# Altium PCB EASY-EAI-Nano-TB V1.01.PCBDOC (part 2 of 7)
Units mm, origin at the board's own origin, x right, y up, seen from the top; angles counter-clockwise.
Board outline 120 x 90 mm, 4 copper layers (Top Layer, GND, VCC, Bottom Layer); 667 components, 452 nets, 2251 pads, 1430 vias.
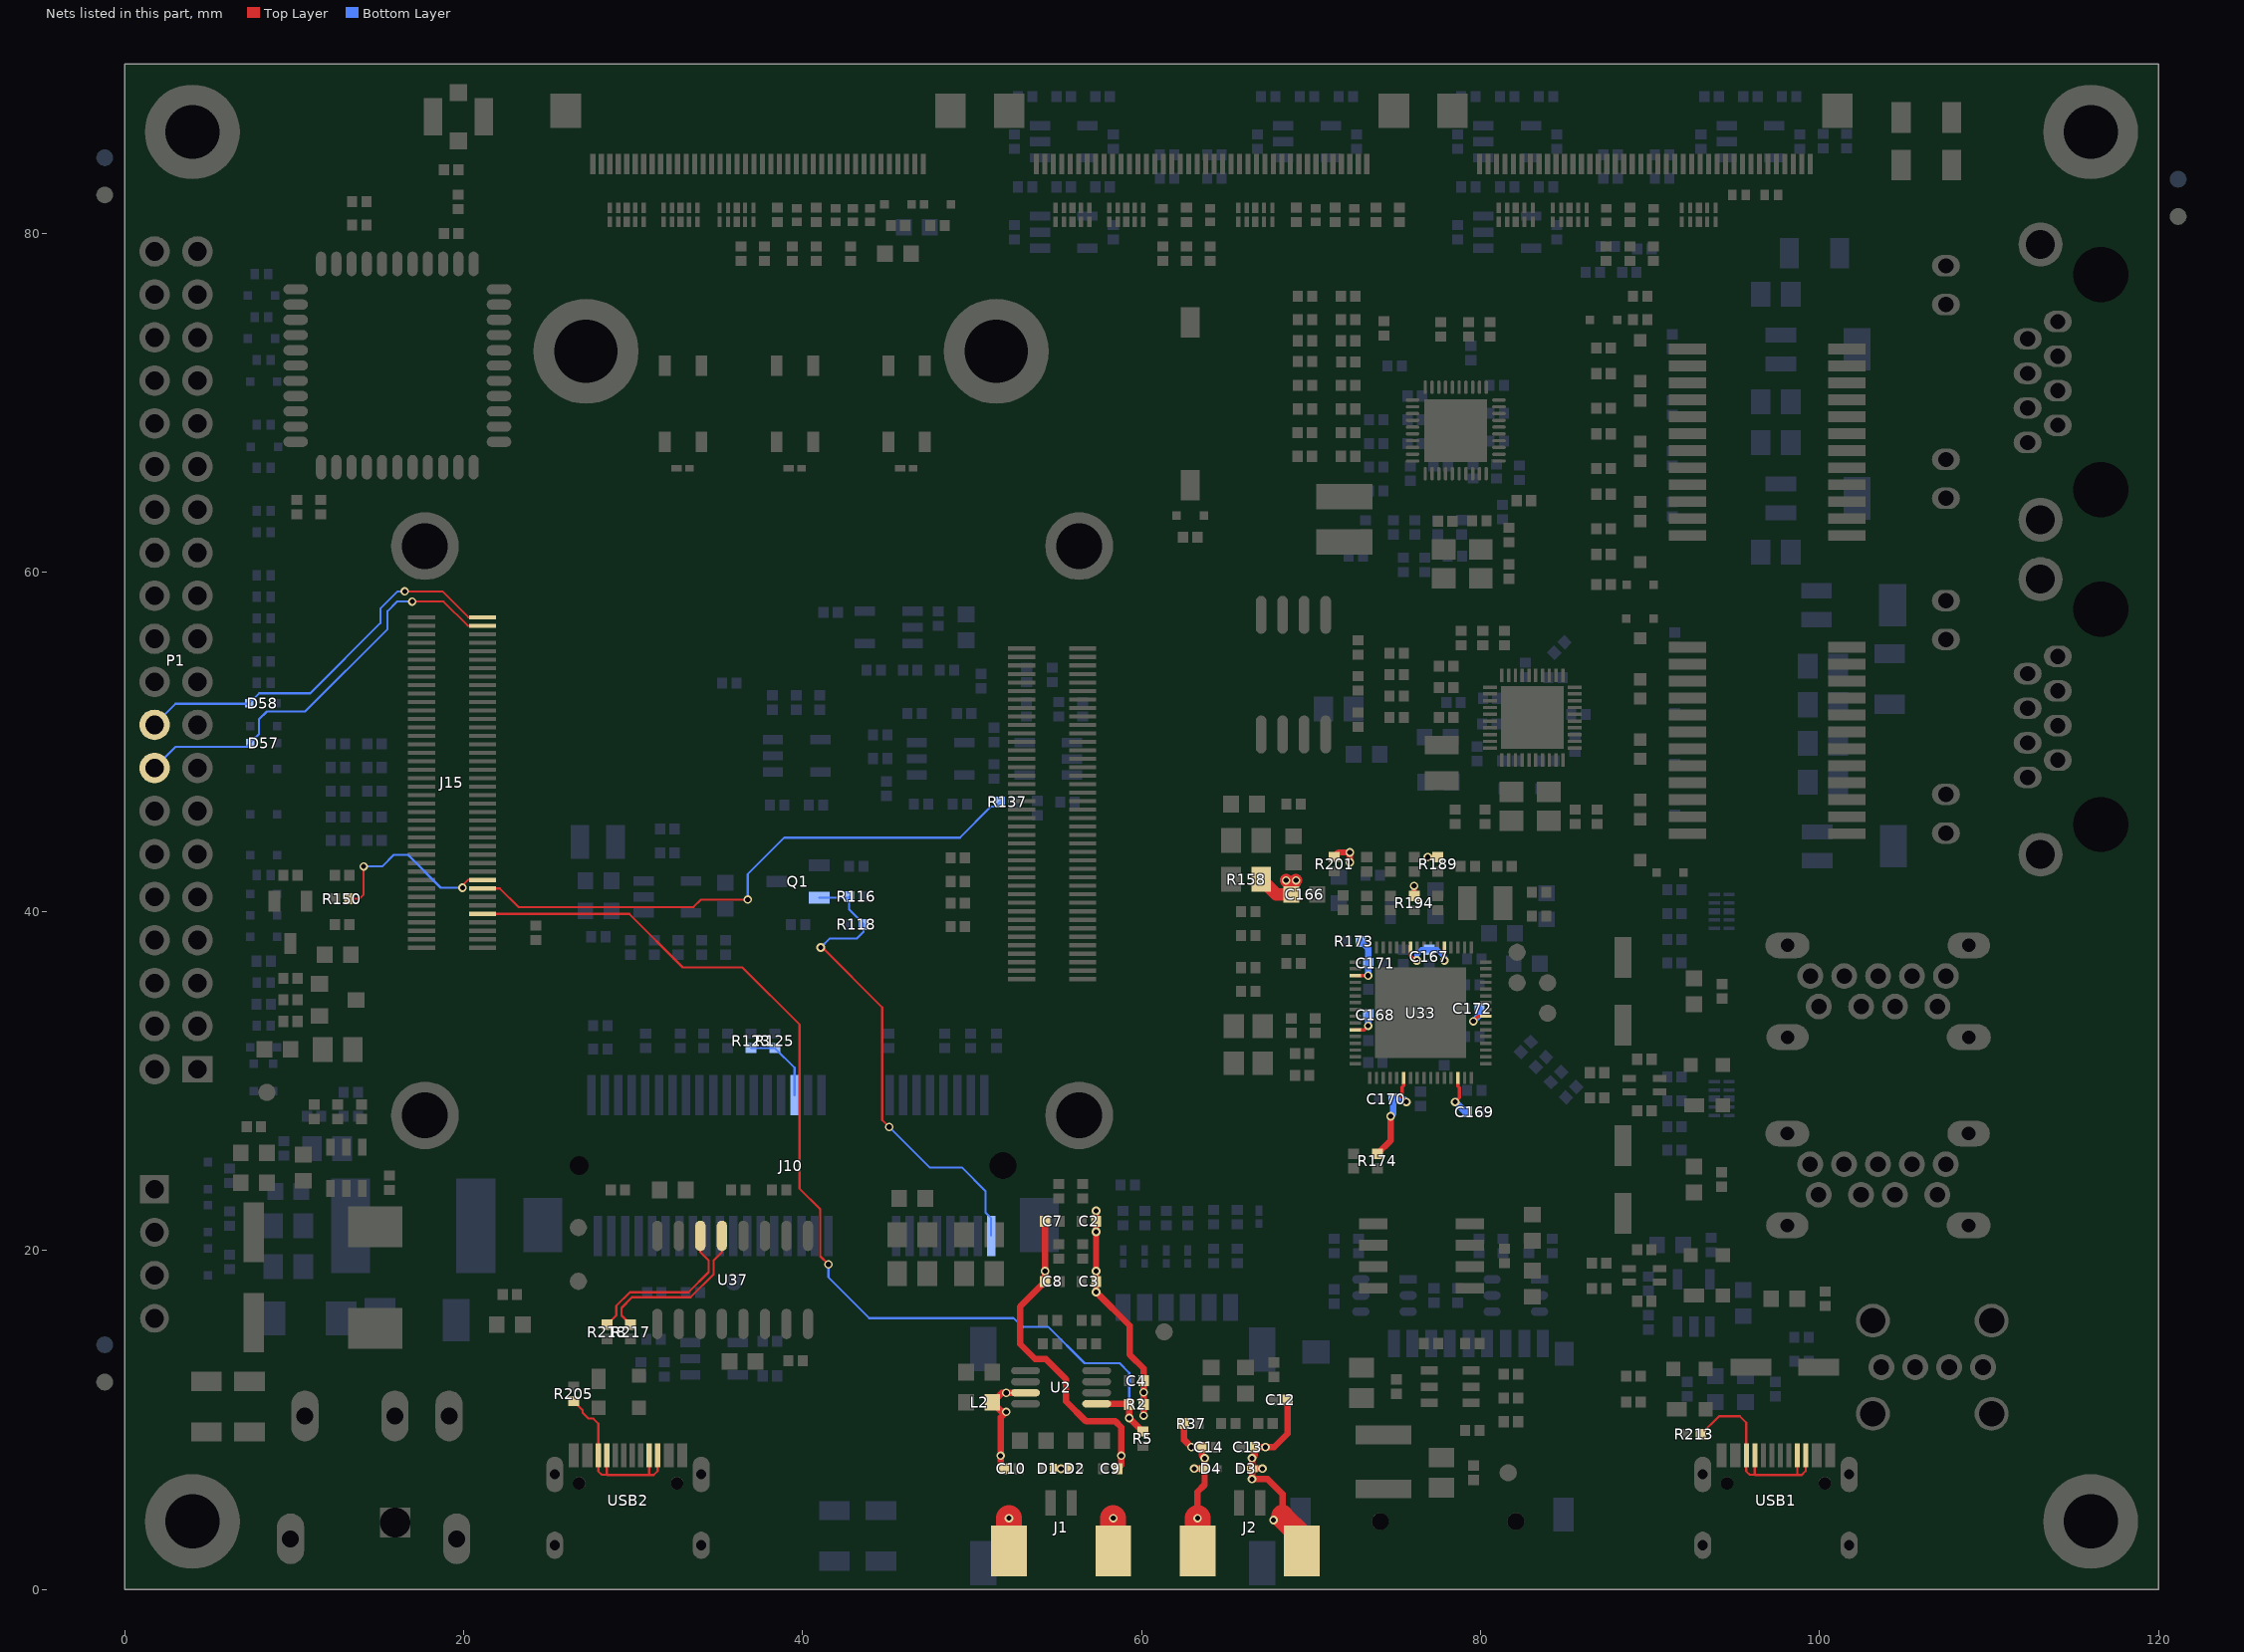
[diagram p4: the nets of this part, all layers, seen from the top]

## Components (designator, comment, footprint, x,y, rotation, side; value= is the part's Value field where it differs from the comment) (continued)
R136 "0402WGF1003TCE" 0402_R 51.308,48.26 r270 bottom
R137 "0402WGF220JTCE" 0402_R 52.07,46.457 r0 bottom
R138 "0402WGF1002TCE" 0402_R 53.848,46.101 r90 bottom
R139 "0402WGF5602TCE" 0402_R 51.308,50.419 r270 bottom
R140 "1206W4F1204T5E" 1206_R 4.836,10.777 r270 top
R141 "0402WGF1002TCE" 0402_R 38.227,52.324 r270 bottom
R142 "0402WGF1002TCE" 0402_R 39.624,52.324 r270 bottom
R143 "NC/0805W8F0000T5E" 0805_R 12.583,31.859 r0 top
R144 "0402WGF1003TCE" 0402_R 9.789,33.51 r180 top
R145 "0402WGF3003TCE" 0402_R 11.186,27.922 r180 bottom
R146 "0402WGF2203TCE" 0402_R 12.583,28.176 r90 top
R147 "0402WGF1002TCE" 0402_R 9.789,36.05 r0 top
R148 "0402WGF5102TCE" 0402_R 13.345,29.319 r180 bottom
R149 "NQ02WGF3002TCE" 0402_R 13.98,28.176 r270 top
R150 "0402WGF1002TCE" 0402_R 12.837,40.749 r180 top
R151 "0402WGF4702TCE" 0402_R 12.837,39.225 r180 top
R152 "0402WGF1373TCE" 0402_R 81.798,11.285 r0 top
R153 "0402WGF1002TCE" 0402_R 77.087,14.5 r0 top
R154 "NQ02WGF3002TCE" 0402_R 81.796,12.682 r180 top
R155 "0402WGF1002TCE" 0402_R 79.512,14.5 r180 top
R156 "AC0402FR-072K2L" 0402_R 8.21,34.526 r0 bottom
R157 "AC0402FR-072K2L" 0402_R 8.21,37.066 r0 bottom
R158 "0805W8F0000T5E" 0805_R 66.177,41.892 r0 top
R159 "0402WGF1002TCE" 0402_R 75.057,51.435 r0 top
R160 "0805W8F0000T5E" 0805_R 66.177,44.178 r0 top
R161 "0402WGF0000TCE" 0402_R 91.44,30.226 r0 bottom
R162 "0402WGF1002TCE" 0402_R 72.771,53.467 r90 top
R163 "0402WGF0000TCE" 0402_R 91.44,28.829 r0 bottom
R164 "0402WGF220KTCE" 0402_R 89.663,16.997 r0 top
R165 "0402WGF0000TCE" 0402_R 66.304,38.59 r0 top
R166 "0402WGF220KTCE" 0402_R 86.996,17.759 r0 top
R167 "0402WGF0000TCE" 0402_R 66.304,39.987 r0 top
R168 "0402WGF220KTCE" 0402_R 86.994,19.25 r0 top
R169 "0402WGF0000TCE" 0402_R 68.971,36.939 r0 top
R170 "0402WGF220KTCE" 0402_R 89.663,20.045 r0 top
R171 "0402WGF0000TCE" 0402_R 68.971,38.336 r0 top
R172 "0402WGF220KTCE" 0402_R 79.258,42.654 r180 top
R173 "0402WGF1002TCE" 0402_R 72.517,38.227 r180 bottom
R174 "0402WGF1003TCE" 0402_R 73.914,25.273 r270 top
R175 "0402WGF1002TCE" 0402_R 72.517,25.273 r270 top
R176 "0402WGF0000TCE" 0402_R 91.44,41.275 r0 bottom
R177 "0402WGF0000TCE" 0402_R 91.44,39.878 r0 bottom
R178 "0402WGF220KTCE" 0402_R 89.672,28.231 r0 top
R179 "0402WGF220KTCE" 0402_R 86.878,28.993 r0 top
R180 "0402WGF220KTCE" 0402_R 86.875,30.484 r0 top
R181 "0402WGF220KTCE" 0402_R 89.672,31.279 r0 top
R182 "1206W4F1204T5E" 1206_R 106.309,84.056 r0 top
R183 "0402WGF0000TCE" 0402_R 70.241,33.256 r270 top
R184 "RC-02W1004FT" 0402_R 69.479,31.605 r0 top
R185 "0402WGF1002TCE" 0402_R 72.771,55.582 r270 top
R186 "AC0402FR-072K49L" 0402_R 86.868,45.593 r270 top
R187 "RS-05K75R0FT" 0805_R 100.203,54.483 r0 bottom
R188 "RS-05K75R0FT" 0805_R 100.203,52.197 r0 bottom
R189 "0402WGF1002TCE" 0402_R 77.48,42.781 r90 top
R190 "0402WGF4701TCE" 0402_R 89.916,15.748 r270 bottom
R191 "0402WGF220KTCE" 0402_R 98.933,14.859 r0 bottom
R192 "0402WGF5101TCE" 0402_R 73.289,40.495 r270 top
R193 "0402WGF1002TCE" 0402_R 73.289,42.781 r270 top
R194 "0402WGF1002TCE" 0402_R 76.083,40.495 r90 top
R195 "0402WGF1002TCE" 0402_R 76.083,42.781 r270 top
R196 "NQ02WGF3002TCE" 0402_R 74.686,39.987 r90 bottom
R197 "0402WGF2002TCE" 0402_R 79.639,37.193 r180 bottom
R198 "0402WGF1001TCE" 0402_R 22.733,17.399 r180 top
R200 "RC0402FR-0739KL" 0402_R 74.686,42.781 r270 top
R201 "0402WGF1003TCE" 0402_R 71.374,42.799 r270 top
R202 "0402WGF1003TCE" 0402_R 71.882,40.513 r90 top
R203 "0402WGF1002TCE" 0402_R 31.22,14.748 r180 bottom
R204 "0402WGF1000TCE" 0402_R 46.609,51.689 r180 bottom
R205 "0402WGF5101TCE" 0402_R 26.497,11.532 r270 top
R206 "0402WGF1000TCE" 0402_R 35.687,53.467 r180 bottom
R207 "0402WGF220JTCE" 0402_R 56.525,51.925 r90 bottom
R208 "0402WGF1000TCE" 0402_R 53.223,53.957 r90 bottom
R209 "0402WGF220KTCE" 0402_R 89.027,12.573 r180 top
R210 "0402WGF220KTCE" 0402_R 89.027,11.049 r180 top
R211 "0402WGF1002TCE" 0402_R 92.202,11.811 r90 bottom
R212 "0402WGF1502TCE" 0402_R 49.159,40.495 r0 top
R213 "0402WGF5101TCE" 0402_R 92.583,9.144 r0 top
R214 "NC/0402WGF1002TCE" 0402_R 49.159,39.098 r0 top
R215 "0402WGF220JTCE" 0402_R 38.618,23.569 r0 top
R216 "0402WGF220JTCE" 0402_R 36.205,23.569 r0 top
R217 "0402WGF220KTCE" 0402_R 29.862,15.191 r90 top
R218 "0402WGF220KTCE" 0402_R 28.465,15.191 r90 top
R219 "0402WGF220JTCE" 0402_R 6.198,24.409 r270 bottom
R220 "0402WGF220KTCE" 0402_R 98.933,13.462 r0 bottom
R222 "0402WGF220JTCE" 0402_R 6.198,21.869 r270 bottom
R223 "0402WGF220JTCE" 0402_R 6.191,19.323 r270 bottom
R224 "AC0402FR-072K2L" 0402_R 42.84,78.817 r90 top
R225 "0402WGF1003TCE" 0402_R 49.159,43.162 r180 top
R226 "RS-05K75R0FT" 0805_R 100.203,49.911 r0 bottom
R227 "RS-05K75R0FT" 0805_R 100.203,47.625 r0 bottom
S1 "TS-1145A-B-A" SW-SMD_4P-L4.2-W3.2-P2.15-LS5.2 46.136,69.959 r0 top
S2 "TS-1145A-B-A" SW-SMD_4P-L4.2-W3.2-P2.15-LS5.2 32.961,69.959 r0 top
S3 "EM-01KP" EM-01KP 62.875,69.959 r0 top
S4 "TS-1145A-B-A" SW-SMD_4P-L4.2-W3.2-P2.15-LS5.2 39.549,69.959 r0 top
T1 "TEST-DOT" PAD-25/40 35.951,18.143 r0 bottom
T2 "TEST-DOT" PAD-25/40 26.776,21.347 r270 top
T3 "TEST-DOT" PAD-25/40 61.334,15.189 r270 top
T4 "TEST-DOT" PAD-25/40 26.776,18.174 r0 top
T5 "TEST-DOT" PAD-25/40 8.392,29.319 r90 top
T6 "TEST-DOT" PAD-25/40 81.634,6.879 r0 top
T7 "TEST-DOT" PAD-25/40 83.957,34 r45 top
T8 "TEST-DOT" PAD-25/40 83.957,35.796 r45 top
T9 "TEST-DOT" PAD-25/40 82.161,35.796 r45 top
T10 "TEST-DOT" PAD-25/40 82.161,37.592 r135 top
U2 "NS4150B" MSOP-8 55.255,11.92 r90 top
U3 "TPL740F28-5TR" SOT-23-5 69.764,85.421 r0 bottom
U4 "TPL740F28-5TR" SOT-23-5 95.926,85.421 r0 bottom
U5 "TPL740F18-5TR" SOT-23-5 55.413,80.087 r0 bottom
U6 "TPL740F18-5TR" SOT-23-5 81.575,80.087 r0 bottom
U7 "TPL740F12-5TR" SOT-23-5 55.413,85.421 r0 bottom
U8 "TPL740F12-5TR" SOT-23-5 81.575,85.421 r0 bottom
U9 "PT10A034UR" DFN2510 66.716,81.103 r180 top
U10 "PT10A034UR" DFN2510 92.878,81.103 r180 top
U11 "PT10A034UR" DFN2510 59.096,81.103 r180 top
U12 "PT10A034UR" DFN2510 85.258,81.103 r180 top
U13 "PT10A034UR" DFN2510 55.921,81.103 r180 top
U14 "PT10A034UR" DFN2510 82.083,81.103 r180 top
U15 "PT10A034UR" DFN2510 36.109,81.103 r180 top
U16 "PT10A034UR" DFN2510 32.807,81.103 r180 top
U17 "PT10A034UR" DFN2510 29.632,81.103 r180 top
U18 "TPL740F33-5TR" SOT-23-5 45.085,56.769 r180 bottom
U19 "G2401CE" SMD-24_L15.1-W7.1-P1.00-LS10.0-BL 96.91,67.685 r270 top locked
U20 "RTL8211F-CG" QFN40P500X500X90_HS-41N 78.54,68.381 r180 top
U21 "L-NLEDB37-G5NN4" L-NLEDB37-G5NN4_SMT 16.095,72.214 r270 top
U22 "SY8089AAAC" SOT-23-5 32.023,40.856 r0 bottom
U23 "SMC-202-6" SIM-SMD_SMC-202-6 58.884,9.08 r180 bottom locked
U24 "TPV6823V-TR" SOT-23-5 48.143,49.006 r0 bottom
U25 "74LVC1G125GV,125" SOT-23-5 54.493,49.004 r180 bottom
U26 "TPL740F18-5TR" SOT-23-5 39.653,49.187 r0 bottom
U27 "TMI3255S" SOT23-6 13.091,24.874 r180 top
U28 "SY8113BADC" sot23-6 78.205,11.959 r90 top
U29 "W25Q32JVSSIQ" SOIC-8-208mil 68.961,53.975 r180 top
U30 "ESD BV-FK03U4CD" UDFN-10 94.234,28.956 r270 bottom
U31 "AIC1519N-0GS8TR" SOP-8 73.67,21.572 r0 top locked
U32 "ESD BV-FK03U4CD" UDFN-10 94.234,40.005 r270 bottom
U33 "GL3510-OSY52" QFN-64_L8.0-W8.0-P0.40-BL-EP5.4 76.464,34.018 r90 top
U34 "SY6280AAC" SOT-23-5 92.583,16.891 r90 bottom
U36 "TPL740F33-5TR" SOT-23-5 34.776,13.605 r0 bottom
U37 "CH340C" SOIC-16_150mil 35.879,18.257 r180 top locked
U43 "RTL8153B-VB-CG" QFN-40_L5.0-W5.0-P0.40-BL-EP3.7 83.058,51.435 r90 top
U44 "G2401CE" SMD-24_L15.1-W7.1-P1.00-LS10.0-BL 96.91,50.089 r270 top locked
USB1 "USB2.0 Type-C 卧贴 单层" USB-TYPE-C_16PIN-MALE-TYPE-C-31-M-12#1 97.432,5.249 r0 top locked
USB2 "USB2.0 Type-C 卧贴 单层" USB-TYPE-C_16PIN-MALE-TYPE-C-31-M-12#2 29.704,5.249 r0 top locked
USB3 "U221-041N-1BU07-S1" MINI-USB-SMD_U221-041N-1BU07-S1 106.65,13.106 r90 top locked
Y1 "X322525MSB4SI" SMD-3225_4P 78.921,60.507 r0 top
Y2 "X322525MSB4SI" SMD-3225_4P 66.304,32.138 r270 top
Y3 "X322525MSB4SI" SMD-3225_4P 82.931,46.203 r0 top

## Footprints (in the part's own frame and the unit in brackets; to place one, negate y for a bottom-side part, rotate by r counter-clockwise, add the part's x,y. Pads: shape width x height; smd on the part's side, far side on the other; paste and mask are expansions set on the pad)
1.25-2T_SMD_L [mm]
  rect 0.6x1.5 smd: 1(0,0) 2(1.25,0)
  rect 2.1x3 smd: 3(-2.45,-2.835) 4(3.7,-2.835)
  silkscreen extent -3.43,-4.88 4.7,0.51
0402_C [mm]
  rect 0.6x0.65 smd mask+0.051: 1(-0.425,0) 2(0.425,0)
  silkscreen extent -0.97,-0.58 0.98,0.58, body extent -0.48,-0.3 0.52,0.3, height 0.2
0402_R [mm]
  rect 0.6x0.65 smd mask+0.051: 1(-0.425,0) 2(0.425,0)
  silkscreen extent -0.97,-0.58 0.98,0.58, body extent -0.57,-0.27 0.58,0.28, height 0.41
0603_C [mm]
  rect 0.93x0.98 smd: 1(-0.77,0) 2(0.77,0)
  silkscreen extent -1.53,-0.79 1.54,0.79, body extent -0.8,-0.4 0.8,0.4, height 0.3
0603_LED_S1 [mm]
  rect 0.93x0.98 smd: A(0.77,0) K(-0.77,0)
  silkscreen extent -1.98,-0.79 1.54,0.79, body extent -0.8,-0.4 0.8,0.4, height 0.6
0603_R [mm]
  rect 0.93x0.98 smd: 1(-0.77,0) 2(0.77,0)
  silkscreen extent -1.53,-0.79 1.54,0.79, body extent -0.85,-0.4 0.85,0.4, height 0.56
0805_C [mm]
  rect 1.16x1.47 smd: 1(-0.89,0) 2(0.89,0)
  silkscreen extent -1.77,-1.04 1.77,1.04, body extent -1,-0.63 1,0.63, height 0.77
0805_R [mm]
  rect 1.16x1.47 smd: 1(-0.89,0) 2(0.89,0)
  silkscreen extent -1.77,-1.04 1.77,1.03, body extent -1,-0.63 1,0.63, height 0.49
1008 [mm]
  rect 1.1x2 smd: 1(0,0) 2(2.1,0)
  silkscreen extent -0.89,-1.27 2.92,1.27
1206_C [mm]
  rect 1.13x1.8 smd: 1(-1.49,0) 2(1.49,0)
  silkscreen extent -2.36,-1.2 2.35,1.2, body extent -1.6,-0.81 1.6,0.79, height 1
1206_R [mm]
  rect 1.13x1.8 smd: 1(-1.49,0) 2(1.49,0)
  silkscreen extent -2.36,-1.2 2.35,1.2, body extent -1.7,-0.86 1.65,0.87, height 0.85
2920 [mm]
  rect 2.3x5.6 smd: 1(-3.7,0) 2(3.7,0)
  silkscreen extent -5.22,-3.18 5.19,3.18
ANT-SMD_KH-IPEX-K501-29 [mm]
  rect 1.05x1 smd: 1(0,-1.425) 4(0,1.425)
  rect 1.1x2.2 smd: 2(-1.5,0) 3(1.5,0)
  silkscreen extent -1.22,-1.92 0.84,1.23
CONN-SMD_80P-P0.50_DF12NA-3.0-80DP-0.5V [mm]
  rect 0.25x1.6 smd: 1(-9.75,-1.8) 2(-9.75,1.8) 3(-9.25,-1.8) 4(-9.25,1.8) 5(-8.75,-1.8) 6(-8.75,1.8) 7(-8.25,-1.8) 8(-8.25,1.8) 9(-7.75,-1.8) 10(-7.75,1.8) 11(-7.25,-1.8) 12(-7.25,1.8) 13(-6.75,-1.8) 14(-6.75,1.8) 15(-6.25,-1.8) 16(-6.25,1.8) 17(-5.75,-1.8) 18(-5.75,1.8) 19(-5.25,-1.8) 20(-5.25,1.8) 21(-4.75,-1.8) 22(-4.75,1.8) 23(-4.25,-1.8) 24(-4.25,1.8) 25(-3.75,-1.8) 26(-3.75,1.8) 27(-3.25,-1.8) 28(-3.25,1.8) 29(-2.75,-1.8) 30(-2.75,1.8) 31(-2.25,-1.8) 32(-2.25,1.8) 33(-1.75,-1.8) 34(-1.75,1.8) 35(-1.25,-1.8) 36(-1.25,1.8) 37(-0.75,-1.8) 38(-0.75,1.8) 39(-0.25,-1.8) 40(-0.25,1.8) 41(0.25,-1.8) 42(0.25,1.8) 43(0.75,-1.8) 44(0.75,1.8) 45(1.25,-1.8) 46(1.25,1.8) 47(1.75,-1.8) 48(1.75,1.8) 49(2.25,-1.8) 50(2.25,1.8) 51(2.75,-1.8) 52(2.75,1.8) 53(3.25,-1.8) 54(3.25,1.8) 55(3.75,-1.8) 56(3.75,1.8) 57(4.25,-1.8) 58(4.25,1.8) 59(4.75,-1.8) 60(4.75,1.8) 61(5.25,-1.8) 62(5.25,1.8) 63(5.75,-1.8) 64(5.75,1.8) 65(6.25,-1.8) 66(6.25,1.8) 67(6.75,-1.8) 68(6.75,1.8) 69(7.25,-1.8) 70(7.25,1.8) 71(7.75,-1.8) 72(7.75,1.8) 73(8.25,-1.8) 74(8.25,1.8) 75(8.75,-1.8) 76(8.75,1.8) 77(9.25,-1.8) 78(9.25,1.8) 79(9.75,-1.8) 80(9.75,1.8)
  Keep-Out Layer board cut-out: 11.125,-1.5 11.125,-1.565 11.076,-1.684 10.984,-1.775 10.865,-1.825 10.735,-1.825 10.616,-1.775 10.525,-1.684 10.475,-1.565 10.475,-1.5 10.475,-1.435 10.525,-1.316 10.616,-1.224 10.735,-1.175 10.865,-1.175 10.984,-1.224 11.076,-1.316 11.125,-1.435 11.125,-1.5 11.125,-1.5
  Keep-Out Layer board cut-out: -10.475,-1.5 -10.475,-1.565 -10.524,-1.684 -10.616,-1.775 -10.735,-1.825 -10.865,-1.825 -10.984,-1.775 -11.075,-1.684 -11.125,-1.565 -11.125,-1.5 -11.125,-1.435 -11.075,-1.316 -10.984,-1.224 -10.865,-1.175 -10.735,-1.175 -10.616,-1.224 -10.524,-1.316 -10.475,-1.435 -10.475,-1.5 -10.475,-1.5
  Keep-Out Layer circle w0.025: c10.8,-1.5 r0.325
  Keep-Out Layer circle w0.025: c-10.8,-1.5 r0.325
  Keep-Out Layer region: 11.125,-1.5 11.125,-1.565 11.076,-1.684 10.984,-1.775 10.865,-1.825 10.735,-1.825 10.616,-1.775 10.525,-1.684 10.475,-1.565 10.475,-1.5 10.475,-1.435 10.525,-1.316 10.616,-1.224 10.735,-1.175 10.865,-1.175 10.984,-1.224 11.076,-1.316 11.125,-1.435 11.125,-1.5 11.125,-1.5
  Keep-Out Layer region: -10.475,-1.5 -10.475,-1.565 -10.524,-1.684 -10.616,-1.775 -10.735,-1.825 -10.865,-1.825 -10.984,-1.775 -11.075,-1.684 -11.125,-1.565 -11.125,-1.5 -11.125,-1.435 -11.075,-1.316 -10.984,-1.224 -10.865,-1.175 -10.735,-1.175 -10.616,-1.224 -10.524,-1.316 -10.475,-1.435 -10.475,-1.5 -10.475,-1.5
  silkscreen extent -11.35,-3.06 11.35,2.2
DC-044A-20A [mm]
  rect 1.778x1.778 hole 1.778 square: 0(-6.292,3.18)
  oval 3x1.6 hole 1 slot 2.2 at 0 deg: 1(0,0) 2(0,8.501) 3(0,3.2) 4(-7.25,-0.45) 5(-7.25,9.351)
  silkscreen extent -10.23,-1.14 1.27,9.14
DFN1006 [mm]
  rect 0.5x0.6 smd mask+0.051: 1(-0.4,0) 2(0.4,0)
  silkscreen extent -0.75,-0.38 0.75,0.38
DFN1006-2L [mm]
  rect 0.4x0.6 smd mask+0.051: 1(0,0) 2(0.7,0)
  silkscreen extent -0.58,-0.43 1.08,0.43
DFN2510 [mm]
  rect 0.25x0.609 smd: 1(-1,-0.415) 2(-0.5,-0.415) 4(0.5,-0.415) 5(1,-0.415) 6(1,0.415) 7(0.5,0.415) 9(-0.5,0.415) 10(-1,0.415)
  rect 0.38x0.609 smd: 3(0,-0.415) 8(0,0.415)
  silkscreen extent -1.33,-1.12 1.33,0.58
DO_214AC [mm] "By LMD from 1.04.03.0018 Molded Diode, 2-Leads, Body 6.85x5.90mm, IPC Low Density"
  rect 1.8x2 smd: 1(-2.1,0) 2(2.1,0)
  silkscreen extent -2.1,-1.52 2.09,1.52
EM-01KP [mm]
  rect 1.1x1.8 smd: 1(0,-4.8) 2(0,4.8)
  silkscreen extent -1.78,-3.28 1.78,3.46
FBP-02C [mm]
  rect 0.5x0.4 smd mask+0.051: 1(0,0)
  rect 0.62x0.4 smd mask+0.051: 2(0.762,0)
  silkscreen extent -0.51,-0.43 1.27,0.43
FFC0.5-40P [mm]
  rect 0.3x1.2 smd: 1(-9.75,1.574) 2(-9.25,1.574) 3(-8.75,1.574) 4(-8.25,1.574) 5(-7.75,1.574) 6(-7.25,1.574) 7(-6.75,1.574) 8(-6.25,1.574) 9(-5.75,1.574) 10(-5.25,1.574) 11(-4.75,1.574) 12(-4.25,1.574) 13(-3.75,1.574) 14(-3.25,1.574) 15(-2.75,1.574) 16(-2.25,1.574) 17(-1.75,1.574) 18(-1.25,1.574) 19(-0.75,1.574) 20(-0.25,1.574) 21(0.25,1.574) 22(0.75,1.574) 23(1.25,1.574) 24(1.75,1.574) 25(2.25,1.574) 26(2.75,1.574) 27(3.25,1.574) 28(3.75,1.574) 29(4.25,1.574) 30(4.75,1.574) 31(5.25,1.574) 32(5.75,1.574) 33(6.25,1.574) 34(6.75,1.574) 35(7.25,1.574) 36(7.75,1.574) 37(8.25,1.574) 38(8.75,1.574) 39(9.25,1.574) 40(9.75,1.574)
  rect 1.8x2 smd: 41(-11.35,-1.574) 42(11.35,-1.574)
  silkscreen extent -12.16,-4.32 11.71,2.51
HDR-TH_4P-P2.54-V-M [mm]
  rect 1.7x1.7 hole 1.1: 1(-3.81,0)
  round 1.7 hole 1.1: 2(-1.27,0) 3(1.27,0) 4(3.81,0)
  silkscreen extent -5.84,-1.27 5.08,1.27
HDR-TH_40P-P2.54-V-M-R2-C20-S2.54 [mm]
  rect 1.575x1.8 / inner rect 1.5x1.5 / far side rect 1.575x1.8 hole 1.1 paste+0 mask+0.051: 1(-24.13,-1.27)
  round 1.8 / inner round 1.5 / far side round 1.8 hole 1.1 paste+0 mask+0.051: 2(-24.13,1.27) 3(-21.59,-1.27) 4(-21.59,1.27) 5(-19.05,-1.27) 6(-19.05,1.27) 7(-16.51,-1.27) 8(-16.51,1.27) 9(-13.97,-1.27) 10(-13.97,1.27) 11(-11.43,-1.27) 12(-11.43,1.27) 13(-8.89,-1.27) 14(-8.89,1.27) 15(-6.35,-1.27) 16(-6.35,1.27) 17(-3.81,-1.27) 18(-3.81,1.27) 19(-1.27,-1.27) 20(-1.27,1.27) 21(1.27,-1.27) 22(1.27,1.27) 23(3.81,-1.27) 24(3.81,1.27) 25(6.35,-1.27) 26(6.35,1.27) 27(8.89,-1.27) 28(8.89,1.27) 29(11.43,-1.27) 30(11.43,1.27) 31(13.97,-1.27) 32(13.97,1.27) 33(16.51,-1.27) 34(16.51,1.27) 35(19.05,-1.27) 36(19.05,1.27) 37(21.59,-1.27) 38(21.59,1.27) 39(24.13,-1.27) 40(24.13,1.27)
  silkscreen extent -25.4,-2.54 25.4,2.54
"HOLE-3.2 - Screw" [mm]
  round 5.6 hole 3.2: 1(0,0)
  silkscreen extent -3.5,-3.5 3.5,3.5
IND-4.0*4.0*3.0 [mm]
  rect 1.1x3.3 smd: 1(-1.6,0) 2(1.6,0)
  silkscreen extent -2.36,-2.03 2.46,2.03
IND-SMD_L3.0-W3.0 [mm]
  rect 1.5x3.32 smd paste+0 mask+0.051: 1(1.328,0) 2(-1.328,0)
  silkscreen extent -1.52,-1.91 1.52,1.91
IND-SMD_L7.0-W6.6 [mm] "JLC"
  rect 2.4x3.2 smd: 1(-3,0) 2(3,0)
  silkscreen extent -3.5,-3.3 3.5,3.3
IND_252012 [mm]
  rect 1.1x2 smd: 1(-1.05,0) 2(1.05,0)
  silkscreen extent -1.82,-1.27 1.87,1.27
L-NLEDB37-G5NN4_SMT [mm]
  oval 1.45x0.6 smd mask+0.075: 1(-6,4.5) 2(-6,3.6) 3(-6,2.7) 4(-6,1.8) 5(-6,0.9) 6(-6,0) 7(-6,-0.9) 8(-6,-1.8) 9(-6,-2.7) 10(-6,-3.6) 11(-6,-4.5) 23(6,-4.5) 24(6,-3.6) 25(6,-2.7) 26(6,-1.8) 27(6,-0.9) 28(6,0) 29(6,0.9) 30(6,1.8) 31(6,2.7) 32(6,3.6) 33(6,4.5)
  oval 0.6x1.45 smd mask+0.075: 12(-4.5,-6) 13(-3.6,-6) 14(-2.7,-6) 15(-1.8,-6) 16(-0.9,-6) 17(0,-6) 18(0.9,-6) 19(1.8,-6) 20(2.7,-6) 21(3.6,-6) 22(4.5,-6) 34(4.5,6) 35(3.6,6) 36(2.7,6) 37(1.8,6) 38(0.9,6) 39(0,6) 40(-0.9,6) 41(-1.8,6) 42(-2.7,6) 43(-3.6,6) 44(-4.5,6)
  silkscreen extent -6.53,-6.01 6.01,6.01
MEDC52-32F-PCIE-LOCK-L [mm]
  round 1.55 hole 1.6 unplated: 0(-12.5,-21.95)
  round 1.05 hole 1.1 unplated: 0(12.5,-21.95)
  rect 0.5x2.388 smd: 1(-11.8,-26.1) 2(-11.4,-17.8) 3(-11,-26.1) 4(-10.6,-17.8) 5(-10.2,-26.1) 6(-9.8,-17.8) 7(-9.4,-26.1) 8(-9,-17.8) 9(-8.6,-26.1) 10(-8.2,-17.8) 11(-7.8,-26.1) 12(-7.4,-17.8) 13(-7,-26.1) 14(-6.6,-17.8) 15(-6.2,-26.1) 16(-5.8,-17.8) 17(-2.2,-26.1) 18(-1.8,-17.8) 19(-1.4,-26.1) 20(-1,-17.8) 21(-0.6,-26.1) 22(-0.2,-17.8) 23(0.2,-26.1) 24(0.6,-17.8) 25(1,-26.1) 26(1.4,-17.8) 27(1.8,-26.1) 28(2.2,-17.8) 29(2.6,-26.1) 30(3,-17.8) 31(3.4,-26.1) 32(3.8,-17.8) 33(4.2,-26.1) 34(4.6,-17.8) 35(5,-26.1) 36(5.4,-17.8) 37(5.8,-26.1) 38(6.2,-17.8) 39(6.6,-26.1) 40(7,-17.8) 41(7.4,-26.1) 42(7.8,-17.8) 43(8.2,-26.1) 44(8.6,-17.8) 45(9,-26.1) 46(9.4,-17.8) 47(9.8,-26.1) 48(10.2,-17.8) 49(10.6,-26.1) 50(11,-17.8) 51(11.4,-26.1) 52(11.8,-17.8)
  rect 2.3x3.2 smd: 53(14.65,-25.45) 54(-14.65,-25.45)
  silkscreen extent -16.5,-28.17 16.5,29.2
MINI-USB-SMD_U221-041N-1BU07-S1 [mil]